# Altium PCB pcb.PcbDoc (part 1 of 2)
Units mm, origin at the board's own origin, x right, y up, seen from the top; angles counter-clockwise.
Board outline 174.83 x 114.43 mm, 2 copper layers (Top Layer, Bottom Layer); 117 components, 132 nets, 722 pads, 1852 vias.
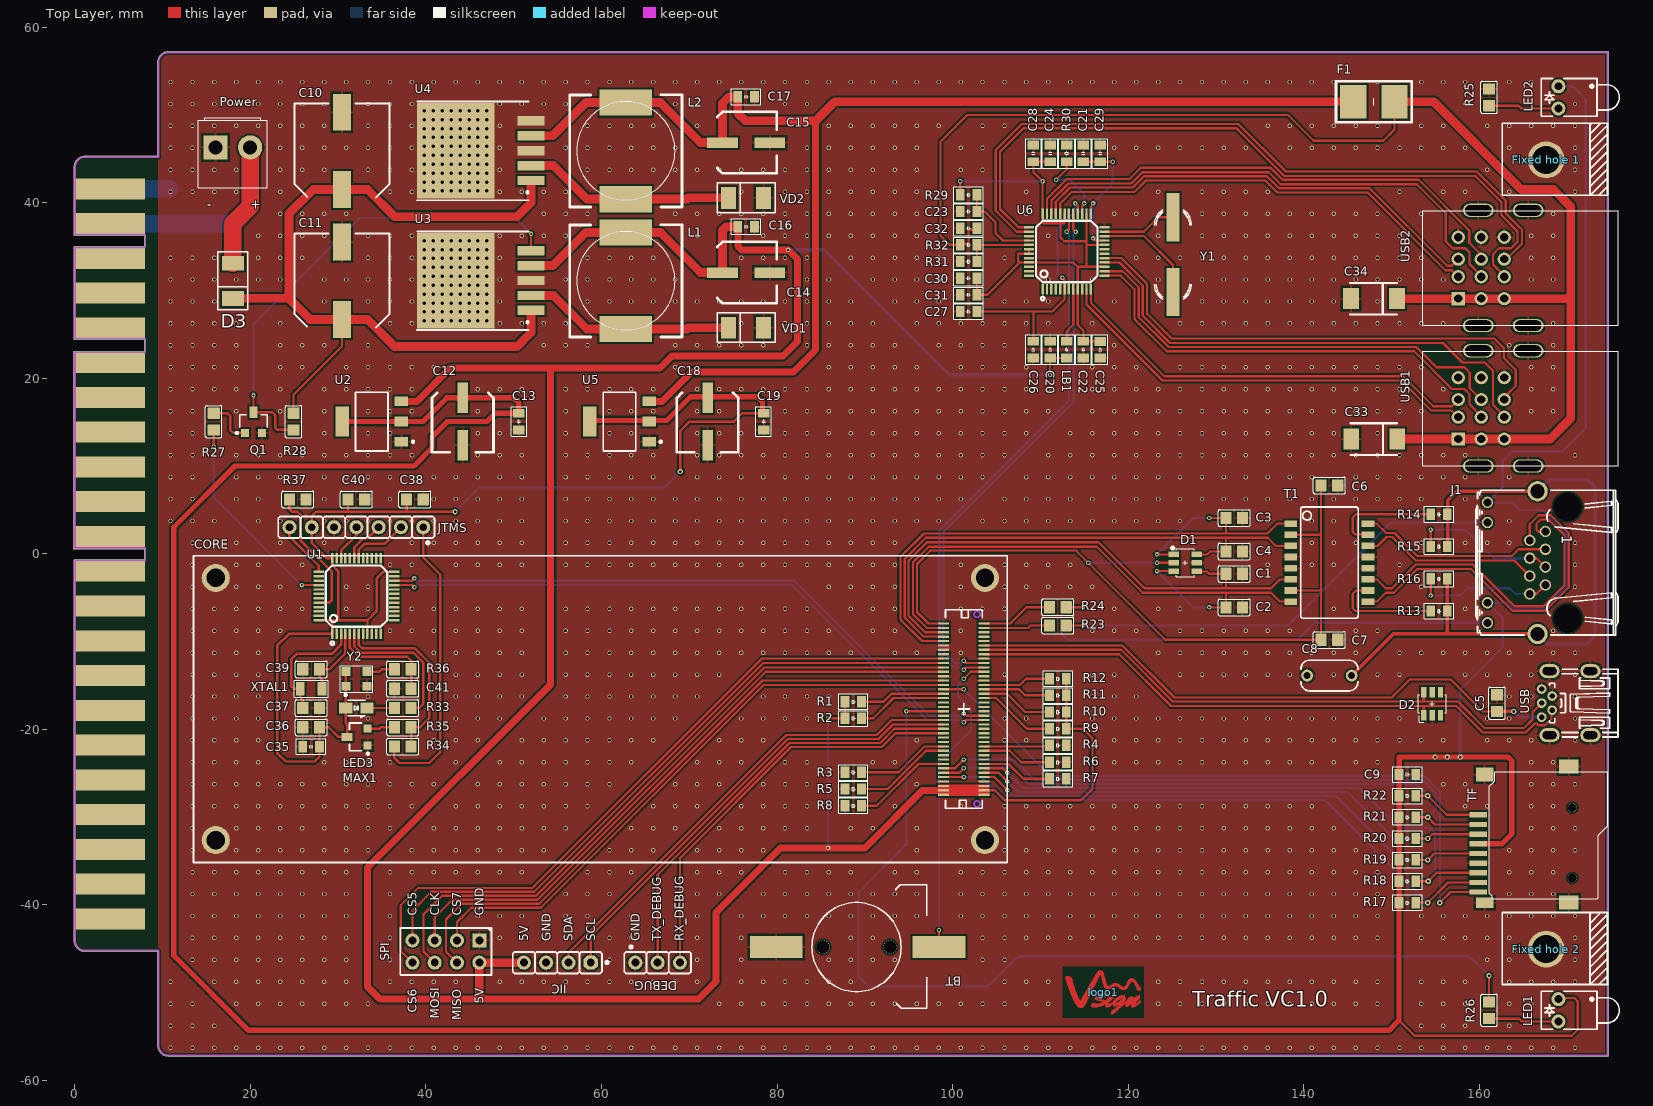
[diagram p0: Top Layer view]
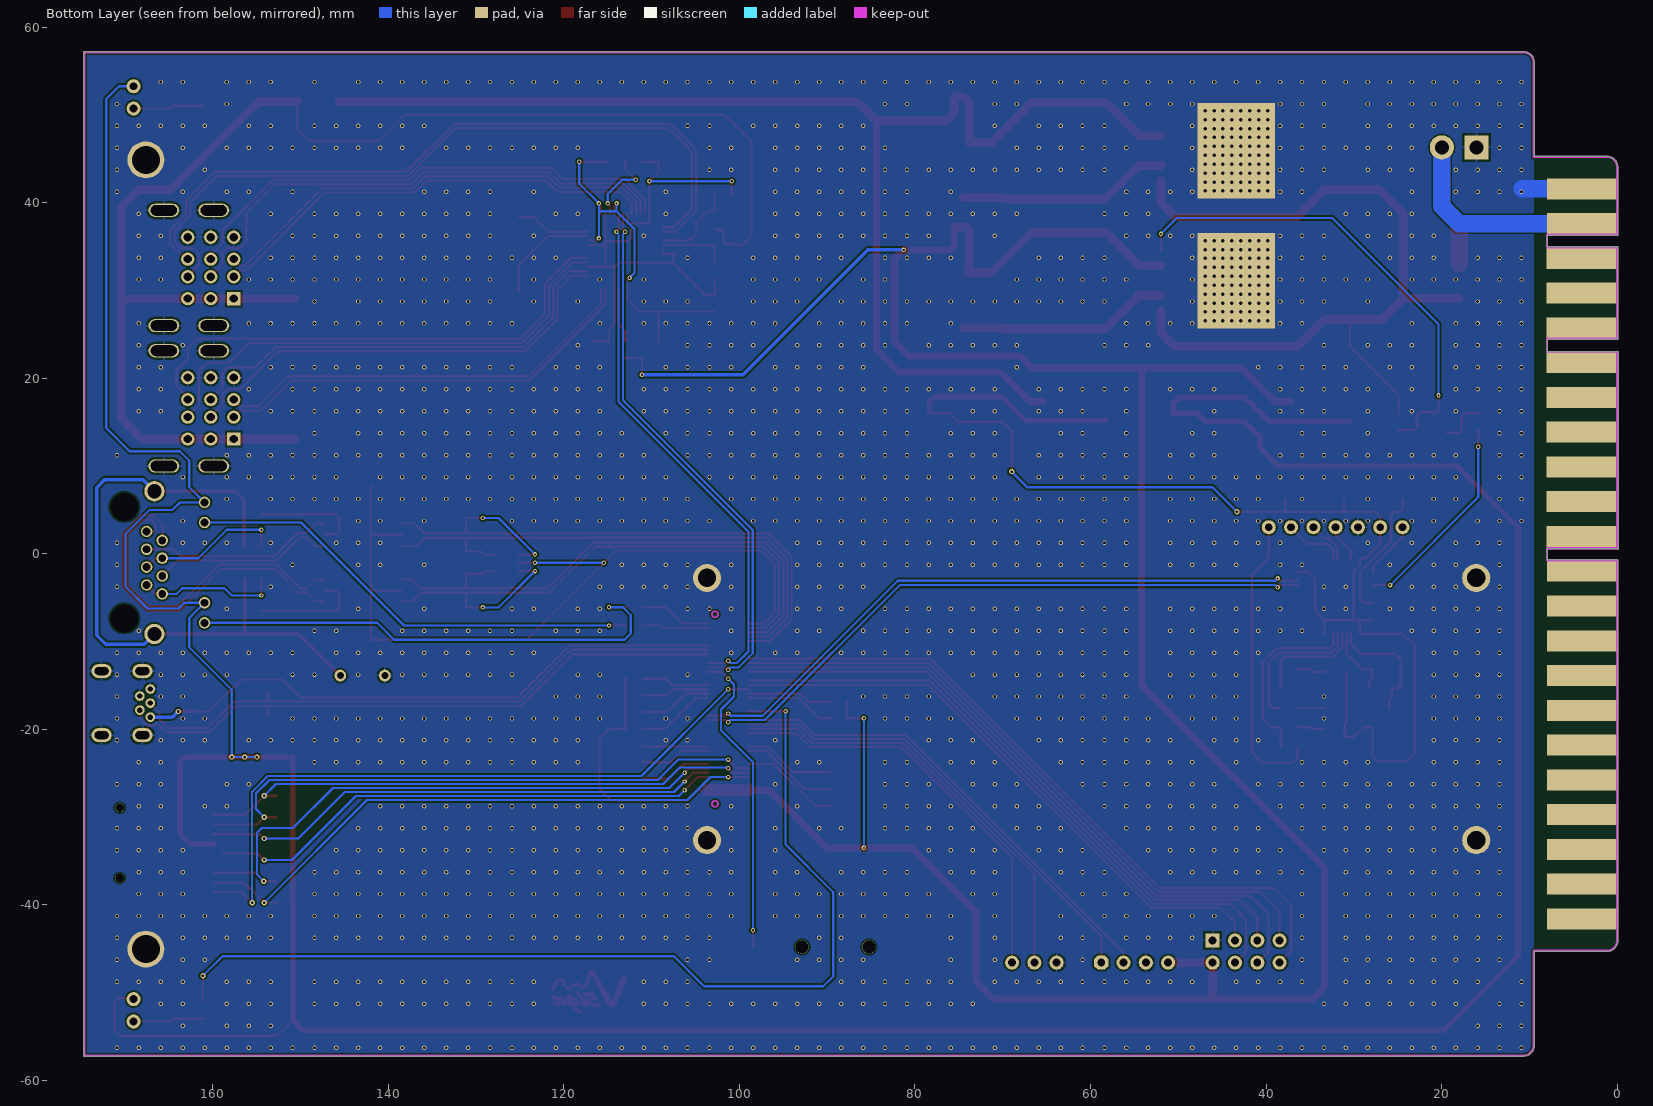
[diagram p1: Bottom Layer view, seen from below]

## Layer stack, top to bottom
Top Solder: solder mask 0.0102, Solder Resist, Dk 3.5
Top Layer: signal copper 0.0356
Dielectric1: dielectric 0.32, FR-4, Dk 4.8
Bottom Layer: signal copper 0.0356
Bottom Solder: solder mask 0.0102, Solder Resist, Dk 3.5

## Board outline
-0.064,-0.787 cw(c-0.005,-0.762) -0.005,-0.698 7.937,-0.698 7.937,0.571 -0.005,0.571 cw(c-0.005,0.635) -0.023,0.574 cw(c-0.076,0.61) -0.14,0.61 -0.14,22.987 cw(c-0.076,22.987) -0.041,23.04 cw(c-0.005,22.987) -0.005,23.051 7.937,23.051 7.937,24.447 0.026,24.447 cw(c-0.025,24.486) -0.089,24.486 -0.089,34.9 cw(c-0.025,34.9) -0.063,34.951 cw(c-0.005,34.925) -0.005,34.989 7.937,34.989 7.937,36.284 0,36.284 cw(c0,36.347) -0.064,36.347 -0.064,44.044 cw(c-0.005,44.069) -0.056,44.107 cw(c1.143,44.076) 1.143,45.276 9.456,45.276 9.456,56.007 cw(c9.52,56.007) 9.461,56.032 cw(c10.661,56.007) 10.638,57.207 cw(c10.668,57.15) 10.668,57.214 174.625,57.214 cw(c174.625,57.15) 174.689,57.15 174.689,-57.125 cw(c174.625,-57.125) 174.688,-57.137 cw(c174.625,-57.15) 174.689,-57.15 cw(c174.625,-57.15) 174.625,-57.214 10.668,-57.214 cw(c10.668,-57.15) 10.638,-57.207 cw(c10.661,-56.007) 9.461,-56.032 cw(c9.52,-56.007) 9.456,-56.007 9.456,-45.276 1.143,-45.276 cw(c1.143,-45.212) 1.113,-45.269 cw(c1.136,-44.069) -0.064,-44.069

## Design rules (kind name [scope] priority, off if disabled: settings)
Clearance [All] p1: gap=0.2 ignorepadtopadclearanceinfootprint=FALSE except(0: Arc-Hole Track-Hole SMDPad-Hole THPad-Hole Via-Hole Fill-Hole Poly-Hole Region-Hole Text-Hole)
ComponentClearance ComponentClearance_1 [All vs HasFootprint('LINUX_CORE')] p1: gap=0 collisioncheckmode=3 verticalgap=0 showdistances=FALSE
ComponentClearance [All] p2: gap=0.254 collisioncheckmode=3 verticalgap=0 showdistances=FALSE
DiffPairsRouting [All] p1: maxlimit=0.254 minlimit=0.2 mostfreqgap=0.25 toplayer_minwidth=0.2 toplayer_maxwidth=0.381 toplayer_prefwidth=0.25 bottomlayer_minwidth=0.2 bottomlayer_maxwidth=0.381 bottomlayer_prefwidth=0.25 maxuncoupledlength=12.7
Height [All] p1: minheight=0 maxheight=50.8 prefheight=25.4
HoleToHoleClearance [All] p1: gap=0.125 allowstackedmicrovias=TRUE
MinimumSolderMaskSliver [All] p1: minsoldermaskwidth=0.125
PlaneConnect [All] p1: planeconnectstyle=Direct reliefexpansion=0.508 reliefentries=4 reliefconductorwidth=0.254 reliefairgap=0.254
PolygonConnect PolygonConnect_3 [All vs HasFootprint('LINUX_CORE')] p1: connectstyle=Direct reliefconductorwidth=0.254 reliefentries=4 polygonreliefangle="90 Angle" airgapwidth=0.254
PolygonConnect PolygonConnect_4 [All vs HasFootprint('CON_90')] p2: connectstyle=Direct reliefconductorwidth=0.254 reliefentries=4 polygonreliefangle="90 Angle" airgapwidth=0.254
PolygonConnect PolygonConnect_2 [All vs HasFootprint('TO-263-5')] p3: connectstyle=Direct reliefconductorwidth=0.254 reliefentries=4 polygonreliefangle="90 Angle" airgapwidth=0.254
PolygonConnect PolygonConnect_1 [All vs IsVia] p4: connectstyle=Direct reliefconductorwidth=0.254 reliefentries=4 polygonreliefangle="90 Angle" airgapwidth=0.254
PolygonConnect [All] p5: connectstyle=Relief reliefconductorwidth=0.254 reliefentries=4 polygonreliefangle="90 Angle" airgapwidth=0.254
RoutingVias [All] p1: holewidth=0.711 width=1.27 viastyle="Through Hole" minholewidth=0.711 minwidth=1.27 maxholewidth=0.711 maxwidth=1.27
SilkToSolderMaskClearance SilkscreenOverComponentPads [IsPad] p1: minsilkscreentomaskgap=0.2 clearancetoexposedcopper=TRUE
SolderMaskExpansion [All] p1: expansion=0.102
Width [All] p1: maxlimit=2.54 minlimit=0.2 preferedwidth=0.254 minimp=50.000000 maximp=50.000000 favimp=50.000000
23 further rules are at their usual default settings.

## Classes and differential pairs
component class dog: C35 C36 C37 C38 C39 C40 C41 JTMS LED3 MAX1 R33 R34 R35 R36 R37 U1 XTAL1 Y2
component class Ethernet: C20 C21 C22 C23 C24 C25 C26 C27 C28 C29 C30 C31 C32 C33 C34 CE2 DOWN1 DOWN2 DOWN3 DOWN4 EC1 EC2 EC3 EC4 EC5 EC6 F1 LB1 LB5 LB6 R29 R30 R31 R32 U6 UP1 USB1 USB2 Y1
component class core: CORE logo1 R1 R2 R3 R4 R5 R6 R7 R8 R9 R10 R11 R12
component class Interface: C1 C2 C3 C4 C5 C6 C7 C8 C9 D1 D2 DEBUG "Fixed hole 1" "Fixed hole 2" IIC J1 LED1 LED2 Power R13 R14 R15 R16 R17 R18 R19 R20 R21 R22 R23 R24 R25 R26 SPI T1 TF USB
component class Power: BT C10 C11 C12 C13 C14 C15 C16 C17 C18 C19 D3 D31 E61 L1 L2 LED62 Q1 R27 R28 R246 R247 R248 R249 R250 U2 U3 U4 U5 VD1 VD2
differential pair DOG_UART: +DOG_UART_P -DOG_UART_N
differential pair USBH_D: +USBH_D_P -USBH_D_N
differential pair USBD_D: +USBD_D_P -USBD_D_N
differential pair TX1: +TX1_P -TX1_N
differential pair RX1: +RX1_P -RX1_N
differential pair ETX: +ETX_P -ETX_N
differential pair ERX: +ERX_P -ERX_N
differential pair D7: +D7_P -D7_N
differential pair D6: +D6_P -D6_N
differential pair D5: +D5_P -D5_N
differential pair D4: +D4_P -D4_N
differential pair D3: +D3_P -D3_N
differential pair D2: +D2_P -D2_N

## Components (designator, comment, footprint, x,y, rotation, side; value= is the part's Value field where it differs from the comment)
BT "BATTERY" CR-1220 89.173,-44.79 r0 top
C1 "15PF" "0805/2012 C3"#1 132.07,-2.268 r0 top
C2 "15PF" "0805/2012 C3"#1 132.07,-6.098 r0 top
C3 "15PF" "0805/2012 C3"#1 132.07,4.087 r180 top
C4 "15PF" "0805/2012 C3"#1 132.07,0.272 r0 top
C5 "0.1uF" "0805/2012 C3"#1 162.01,-17 r270 top
C6 "1uF" "0805/2012 C3"#1 142.92,7.79 r180 top
C7 "0.1uF" "0805/2012 C3"#1 142.92,-9.79 r180 top
C8 "0.1nF 2Kv" CAPRR508-350X650X700 142.92,-13.86 r180 top
C9 "0.1uF" "0805/2012 C3"#2 151.791,-25.13 r0 top
C10 "470UF/35V" SMT_10X10_3-AECAP 30.43,45.91 r270 top
C11 "470UF/35V" SMT_10X10_3-AECAP 30.43,31.11 r270 top
C12 "330uF/6.3V" SMT_6_3X7_7-AECAP 44.19,15.07 r90 top
C13 "0.1uF" "0805/2012 C3"#2 50.58,15.07 r270 top
C14 "470UF/10V" SMT_6_3X7_7-AECAP 76.47,32.05 r180 top
C15 "470UF/10V" SMT_6_3X7_7-AECAP 76.47,46.85 r180 top
C16 "100nF" "0805/2012 C3"#2 76.47,37.273 r0 top
C17 "100nF" "0805/2012 C3"#2 76.47,52.073 r0 top
C18 "330uF/6.3V" SMT_6_3X7_7-AECAP 72.08,15.07 r90 top
C19 "0.1uF" "0805/2012 C3"#2 78.47,15.07 r270 top
C20 "0.1uF" "0805/2012 C3"#2 111.094,23.267 r270 top
C21 "0.1uF" "0805/2012 C3"#2 114.894,45.627 r270 top
C22 "10uF" "0805/2012 C3"#2 114.894,23.277 r90 top
C23 "0.1uF" "0805/2012 C3"#2 101.816,39.007 r0 top
C24 "0.1uF" "0805/2012 C3"#2 111.094,45.627 r270 top
C25 "0.1uF" "0805/2012 C3"#2 116.794,23.257 r90 top
C26 "0.1uF" "0805/2012 C3"#2 109.194,23.267 r90 top
C27 "10uF" "0805/2012 C3"#2 101.816,27.607 r0 top
C28 "0.1uF" "0805/2012 C3"#2 109.194,45.627 r270 top
C29 "0.1uF" "0805/2012 C3"#2 116.794,45.627 r270 top
C30 "0.1uF" "0805/2012 C3"#2 101.814,31.407 r0 top
C31 "0.1uF" "0805/2012 C3"#2 101.814,29.507 r0 top
C32 "0.1uF" "0805/2012 C3"#2 101.816,37.107 r0 top
C33 "220UF/10V" 2312_6023-20_SMT-TAJ-F 148.03,13.07 r0 top
C34 "220UF/10V" 2312_6023-20_SMT-TAJ-F 147.99,29.07 r0 top
C35 "1uF" "0805/2012 C3"#2 26.917,-21.956 r0 top
C36 "100nF" "0805/2012 C3"#1 26.917,-19.755 r0 top
C37 "6P" "0805/2012 C3"#1 26.917,-17.554 r180 top
C38 "1uF" "0805/2012 C3"#1 38.737,6.204 r180 top
C39 "6P" "0805/2012 C3"#1 26.917,-13.152 r0 top
C40 "100nF" "0805/2012 C3"#1 32.067,6.204 r180 top
C41 "10P" "0805/2012 C3"#1 37.357,-15.353 r0 top
CORE "LINUX_CORE" LINUX_CORE 59.87,-17.68 r180 top locked
D1 "DALC208SC6" TSOT-23_6#1 126.49,-1.01 r270 top
D2 "SRV05-4" TSOT-23_6#2 154.621,-17.074 r0 top
D3 "1N5824" DO-214AC 18.002,31.11 r270 top
DEBUG "CON3" COMATEL_385.0358.1.03.400 63.85,-46.57 r0 top
F1 "3A" "PPTC 1812/4532" 147.99,51.5 r180 top
"Fixed hole 1" "CON1" CON_90 167.61,44.958 r0 top locked
"Fixed hole 2" "CON1" CON_90 167.61,-44.958 r0 top locked
IIC "CON4" COMATEL_385.0358.1.04.400 58.77,-46.57 r180 top
J1 "RJ45" AMPHENOL_RJHSE-5381 166.632,-1 r270 top
JTMS "CON7" JTMS 39.687,3.034 r180 top
L1 "47uH" MS125 62.77,31.11 r270 top
L2 "47uH" MS125 62.77,45.91 r270 top
LB1 "FB" "0805/2012 F3" 112.994,23.267 r270 top
LED1 "LEDΦ3*1" LED_DIALIGHT_551-1307F 169,-52 r180 top
LED2 "LEDΦ3*1" LED_DIALIGHT_551-1107F 169,52 r180 top
LED3 "LED" "0805/2012 LEDB" 32.062,-17.557 r0 top
logo1 "CON1" LOGO 117.15,-49.94 r0 top
MAX1 "MAX809TD" "SOT-23 Q2" 32.187,-20.856 r90 top
Power "CON2" B2P-VH 17.99,46.31 r180 top
Q1 "2N5551" "SOT-23 Q2" 20.355,14.965 r0 top
R1 "10K" "0805/2012 R3"#1 88.675,-16.836 r180 top
R2 "10K" "0805/2012 R3"#1 88.675,-18.736 r180 top
R3 "10K" "0805/2012 R3"#1 88.675,-24.886 r180 top
R4 "10K" "0805/2012 R3"#1 111.98,-21.82 r0 top
R5 "10K" "0805/2012 R3"#1 88.675,-26.786 r180 top
R6 "10K" "0805/2012 R3"#1 111.98,-23.72 r0 top
R7 "10K" "0805/2012 R3"#1 111.98,-25.62 r0 top
R8 "10K" "0805/2012 R3"#1 88.675,-28.686 r180 top
R9 "10K" "0805/2012 R3"#1 111.98,-19.919 r0 top
R10 "10K" "0805/2012 R3"#1 111.98,-18.019 r0 top
R11 "10K" "0805/2012 R3"#1 111.98,-16.118 r0 top
R12 "10K" "0805/2012 R3"#1 111.98,-14.218 r0 top
R13 "75Ω" "0805/2012 R3"#1 155.4,-6.509 r0 top
R14 "75Ω" "0805/2012 R3"#1 155.4,4.513 r0 top
R15 "75Ω" "0805/2012 R3"#1 155.4,0.839 r180 top
R16 "75Ω" "0805/2012 R3"#1 155.4,-2.835 r180 top
R17 "47K" "0805/2012 R3"#1 151.791,-39.73 r180 top
R18 "47K" "0805/2012 R3"#1 151.791,-37.297 r180 top
R19 "47K" "0805/2012 R3"#1 151.791,-34.863 r180 top
R20 "47K" "0805/2012 R3"#1 151.791,-32.43 r180 top
R21 "47K" "0805/2012 R3"#1 151.791,-29.997 r180 top
R22 "47K" "0805/2012 R3"#1 151.791,-27.563 r180 top
R23 "330Ω" "0805/2012 R3"#2 111.98,-8.16 r0 top
R24 "330Ω" "0805/2012 R3"#2 111.98,-6.075 r180 top
R25 "330Ω" "0805/2012 R3"#2 161.11,52 r90 top
R26 "330Ω" "0805/2012 R3"#2 161.11,-52 r90 top
R27 "4.7K" "0805/2012 R3"#2 15.82,15.07 r90 top
R28 "10K" "0805/2012 R3"#2 24.92,15.07 r90 top
R29 "100K" "0805/2012 R3"#1 101.816,40.907 r0 top
R30 "2.7K" "0805/2012 R3"#1 112.994,45.627 r270 top
R31 "100K" "0805/2012 R3"#1 101.816,33.307 r0 top
R32 "47K" "0805/2012 R3"#1 101.816,35.207 r0 top
R33 "280Ω" "0805/2012 R3"#2 37.357,-17.554 r0 top
R34 "0Ω" "0805/2012 R3"#2 37.357,-21.956 r0 top
R35 "1K" "0805/2012 R3"#2 37.357,-19.755 r0 top
R36 "10Ω" "0805/2012 R3"#2 37.357,-13.152 r180 top
R37 "10K" "0805/2012 R3"#2 25.397,6.204 r0 top
SPI "MHDR2X4" M20N-2X04-2.54 42.263,-45.3 r180 top
T1 "TS8121C" XFMR_PULSE_H1260NL 142.92,-0.998 r0 top
TF "TF" TFP09-2-12B-G 159.89,-31.93 r180 top
U1 "STM32F103C8T6" LQFP-48L 32.077,-4.81 r180 top
U2 "LM1117" SOT-223 33.825,15.07 r90 top
U3 "LM2596-5" TO-263-5 43.179,31.135 r90 top
U4 "LM2596-5" TO-263-5 43.179,45.935 r90 top
U5 "LM1117" SOT-223 62.05,15.07 r90 top
U6 "FE2.1" LQFP-48L 112.994,34.447 r180 top
USB "USB(MINI)" WURTH_651005136521 167.098,-17 r90 top
USB1 "USB_4" USB-3 165.554,10 r90 top
USB2 "USB_4" USB-3 165.554,26 r90 top
VD1 "IN5824" DO-214AC 76.47,25.758 r180 top
VD2 "IN5824" DO-214AC 76.47,40.558 r180 top
XTAL1 "32.768" Y_3215-2 26.917,-15.353 r0 top
Y1 "12M" XTAL_CITIZEN_HCM49 125.094,34.087 r270 top
Y2 "8M" Y_3225-4 32.077,-14.246 r0 top

## Footprints (in the part's own frame and the unit in brackets; to place one, negate y for a bottom-side part, rotate by r counter-clockwise, add the part's x,y. Pads: shape width x height; smd on the part's side, far side on the other; paste and mask are expansions set on the pad)
"0805/2012 C3"#1 [mm]
  rrect10% 1.27x1.397 smd: 1(-0.95,0) 2(0.95,0)
  silkscreen extent -1.83,-0.94 1.83,0.94, body extent -1.58,-0.7 1.58,0.7, height 1.25
"0805/2012 C3"#2 [mm]
  rect 1x1.3 smd: 1(-0.95,0) 2(0.95,0)
  silkscreen extent -1.68,-0.89 1.68,0.89, body extent -1.45,-0.65 1.45,0.65, height 1.25
"0805/2012 F3" [mm]
  rect 1x1.3 smd: 1(-0.95,0) 2(0.95,0)
  silkscreen extent -1.68,-0.89 1.68,0.89, body extent -1.45,-0.65 1.45,0.65, height 1.25
"0805/2012 LEDB" [mm]
  rect 1.5x1.27 smd mask+0.07: 1(1.2,0)
  rect 1.5x1.27 smd: 2(-1.2,0)
  silkscreen extent -1,-1.1 1,0.89, body extent -1.91,-0.63 1.91,0.63, height 1.09
"0805/2012 R3"#1 [mm]
  rect 1x1.3 smd: 1(-0.95,0) 2(0.95,0)
  silkscreen extent -1.68,-0.89 1.68,0.89, body extent -1.45,-0.65 1.45,0.65, height 0.51
"0805/2012 R3"#2 [mm]
  rrect10% 1.27x1.397 smd: 1(-0.95,0) 2(0.95,0)
  silkscreen extent -1.83,-0.94 1.83,0.94, body extent -1.58,-0.7 1.58,0.7, height 0.45
2312_6023-20_SMT-TAJ-F [mm]
  rect 1.8x2.388 smd mask+0.051: 1(2.621,0) 2(-2.621,0)
  silkscreen extent -2.7,-1.8 2.6,1.8, body extent -3.5,-1.61 3.5,1.59, height 2
AMPHENOL_RJHSE-5381 [mm] "1 Port, 8 Positions, CAT5 RJ45 Modular Connector With Yellow And Green LEDs"
  round 1.3 hole 0.9: 1(-3.554,0.886) 2(-2.538,-0.894) 3(-1.522,0.886) 4(-0.506,-0.894) 5(0.51,0.886) 6(1.526,-0.894) 7(2.542,0.886) 8(3.558,-0.894) 9(-6.862,-5.714) 10(-4.572,-5.714) 11(4.568,-5.714) 12(6.858,-5.714)
  round 2.3 hole 1.6: 13(-8.132,-0.004) 13(8.128,-0.004)
  round 1 hole 3.2 unplated mask+1.1: M1(-6.352,3.426) M2(6.348,3.426)
  silkscreen extent -8.26,-7.04 8.25,9.17, body extent -8.39,-7.01 8.44,9.19, height 15.14
B2P-VH [mm] "VH Connector"
  rect 2.75x2.75 hole 1.6: 1(1.98,0)
  round 2.75 hole 1.6: 2(-1.98,0)
  silkscreen extent -3.95,-3.4 3.95,4.6, body extent -3.9,-4.15 3.96,4.95, height 10.9
CAPRR508-350X650X700 [mm] "Capacitor Radial Rounded, Pin spacing 5.08mm - Body With 3.5mm X Body Length 6.5mm X Body Height 7mm"
  round 1.35 hole 0.8: 1(-2.54,0) 2(2.54,0)
  silkscreen extent -3.25,-1.75 3.25,1.75, body extent -3.29,-1.75 3.29,1.75, height 7
COMATEL_385.0358.1.03.400 [mm] "3 Contacts Straight Strip Header Pitch 2.54mm L=6.3mm ''Mini-Wire-Wrap''"
  round 1.6 hole 0.9: 1(0,0) 2(2.54,0) 3(5.08,0)
  silkscreen extent -1.27,-1.23 6.35,1.93, body extent -1.27,-1.22 6.35,1.23, height 8
COMATEL_385.0358.1.04.400 [mm] "4 Contacts Straight Strip Header Pitch 2.54mm L=6.3mm ''Mini-Wire-Wrap''"
  oct 1.6x1.6 hole 0.9: 1(0,0)
  round 1.6 hole 0.9: 2(2.54,0) 3(5.08,0) 4(7.62,0)
  silkscreen extent -2,-1.23 8.89,1.23, body extent -1.27,-1.22 8.89,1.23, height 8
CON_90 [mm]
  round 4.2 hole 3.2: 1(0,-0.07)
  silkscreen extent -5,-4.1 7,4.1
CR-1220 [mm]
  oval 1.504x1.509 hole 1.499: 0(-3.927,0) 0(3.673,0)
  rect 6x2.5 smd: 1(9.271,0) 2(-9.271,0)
  silkscreen extent -5.21,-6.98 7.87,7.11, body extent -12.3,-7.4 12.3,7.6, height 4.3
DO-214AC [mm]
  rect 1.7x2.5 smd: 1(2,0) 2(-2,0)
  silkscreen extent -3.3,-1.7 3.3,1.68, body extent -2.85,-1.25 2.85,1.25, height 1.9
JTMS [mm] "Wire-Wrap contact (Pin Length= 16.5mm)"
  round 1.6 hole 0.9: 1(0,0) 2(2.54,0) 3(5.08,0) 4(7.62,0) 5(10.16,0) 6(12.7,0) 7(15.24,0)
  silkscreen extent -1.27,-1.23 16.51,1.93, body extent -1.27,-1.22 16.51,1.23, height 8
LED_DIALIGHT_551-1107F [mm] "Single 3mm Red LED, Body 6.35x4.32mm, Pin spacing 2.54mm"
  round 1.6 hole 0.9: 1(0,-1.27) 2(0,1.27)
  silkscreen extent -6.94,-2.16 1.95,2.16, body extent -6.94,-2.16 1.95,2.16, height 7.11
LED_DIALIGHT_551-1307F [mm] "Single 3mm Green LED, Body 6.35x4.32mm, Pin spacing 2.54mm"
  round 1.6 hole 0.9: 1(0,-1.27) 2(0,1.27)
  silkscreen extent -6.94,-2.16 1.95,2.16, body extent -6.94,-2.16 1.95,2.16, height 7.11
LINUX_CORE [mm]
  rect 1.254x0.254 smd: 1(-43.695,9.75) 2(-43.695,9.25) 3(-43.695,8.75) 4(-43.695,8.25) 5(-43.695,7.75) 6(-43.695,7.25) 7(-43.695,6.75) 8(-43.695,6.25) 9(-43.695,5.75) 10(-43.695,5.25) 11(-43.695,4.75) 12(-43.695,4.25) 13(-43.695,3.75) 14(-43.695,3.25) 15(-43.695,2.75) 16(-43.695,2.25) 17(-43.695,1.75) 18(-43.695,1.25) 19(-43.695,0.75) 20(-43.695,0.25) 21(-43.695,-0.25) 22(-43.695,-0.75) 23(-43.695,-1.25) 24(-43.695,-1.75) 25(-43.695,-2.25) 26(-43.695,-2.75) 27(-43.695,-3.25) 28(-43.695,-3.75) 29(-43.695,-4.25) 30(-43.695,-4.75) 31(-43.695,-5.25) 32(-43.695,-5.75) 33(-43.695,-6.25) 34(-43.695,-6.75) 35(-43.695,-7.25) 36(-43.695,-7.75) 37(-43.695,-8.25) 38(-43.695,-8.75) 39(-43.695,-9.25) 40(-43.695,-9.75) 41(-39.095,-9.75) 42(-39.095,-9.25) 43(-39.095,-8.75) 44(-39.095,-8.25) 45(-39.095,-7.75) 46(-39.095,-7.25) 47(-39.095,-6.75) 48(-39.095,-6.25) 49(-39.095,-5.75) 50(-39.095,-5.25) 51(-39.095,-4.75) 52(-39.095,-4.25) 53(-39.095,-3.75) 54(-39.095,-3.25) 55(-39.095,-2.75) 56(-39.095,-2.25) 57(-39.095,-1.75) 58(-39.095,-1.25) 59(-39.095,-0.75) 60(-39.095,-0.25) 61(-39.095,0.25) 62(-39.095,0.75) 63(-39.095,1.25) 64(-39.095,1.75) 65(-39.095,2.25) 66(-39.095,2.75) 67(-39.095,3.25) 68(-39.095,3.75) 69(-39.095,4.25) 70(-39.095,4.75) 71(-39.095,5.25) 72(-39.095,5.75) 73(-39.095,6.25) 74(-39.095,6.75) 75(-39.095,7.25) 76(-39.095,7.75) 77(-39.095,8.25) 78(-39.095,8.75) 79(-39.095,9.25) 80(-39.095,9.75)
  round 3.2 hole 2.1: 4(-43.815,-14.935) 4(-43.815,14.935) 4(43.815,-14.935) 4(43.815,14.935)
  Keep-Out Layer circle w0.152: c-42.9,-10.8 r0.35
  Keep-Out Layer circle w0.152: c-42.9,10.8 r0.35
  silkscreen extent -46.35,-17.48 46.35,17.48
LOGO [mm] "LOGO"
  Top Layer drawing of 837 lines, arcs and shapes, not listed
LQFP-48L [mil] "LQFP-48L_DM9161A_"
  rrect0% 11x47 smd mask+2.76: 1(108.27,169.29) 2(88.58,169.29) 3(68.9,169.29) 4(49.21,169.29) 5(29.53,169.29) 6(9.84,169.29) 7(-9.84,169.29) 8(-29.53,169.29) 9(-49.21,169.29) 10(-68.9,169.29) 11(-88.58,169.29) 12(-108.27,169.29) 25(-108.27,-169.29) 26(-88.58,-169.29) 27(-68.9,-169.29) 28(-49.21,-169.29) 29(-29.53,-169.29) 30(-9.84,-169.29) 31(9.84,-169.29) 32(29.53,-169.29) 33(49.21,-169.29) 34(68.9,-169.29) 35(88.58,-169.29) 36(108.27,-169.29)
  rrect0% 47x11 smd mask+2.76: 13(-169.29,108.27) 14(-169.29,88.58) 15(-169.29,68.9) 16(-169.29,49.21) 17(-169.29,29.53) 18(-169.29,9.84) 19(-169.29,-9.84) 20(-169.29,-29.53) 21(-169.29,-49.21) 22(-169.29,-68.9) 23(-169.29,-88.58) 24(-169.29,-108.27) 37(169.29,-108.27) 38(169.29,-88.58) 39(169.29,-68.9) 40(169.29,-49.21) 41(169.29,-29.53) 42(169.29,-9.84) 43(169.29,9.84) 44(169.29,29.53) 45(169.29,49.21) 46(169.29,68.9) 47(169.29,88.58) 48(169.29,108.27)
  silkscreen extent -138,-138 138,219, body extent -193,-193 193,193, height 63
M20N-2X04-2.54 [mm] "2.54mm"
  rect 1.6x1.6 hole 0.9: 1(-3.81,-1.27)
  round 1.6 hole 0.9: 2(-3.81,1.27) 3(-1.27,-1.27) 4(-1.27,1.27) 5(1.27,-1.27) 6(1.27,1.27) 7(3.81,-1.27) 8(3.81,1.27)
  silkscreen extent -5.21,-2.67 5.21,2.67, body extent -5.08,-2.54 5.08,2.54, height 9.54
MS125 [mm]
  rect 3x6 smd: 1(-5.5,0) 2(5.5,0)
  silkscreen extent -6.4,-6.4 6.4,6.4, body extent -7,-6.1 7,5.9, height 5.95
"PPTC 1812/4532" [mm] "4.55mmX3.24mm"
  rect 3x3.81 smd: 1(-2.349,0)
  rect 3x3.81 smd mask+0.07: 2(2.349,0)
  silkscreen extent -4.32,-2.34 4.32,2.34, body extent -3.85,-1.9 3.85,1.91, height 1
SMT_6_3X7_7-AECAP [mm]
  rect 3.5x1.2 smd: 1(2.7,0) 2(-2.7,0)
  silkscreen extent -3.5,-3.5 3.3,3.5, body extent -4.45,-3.3 4.45,3.3, height 7.7
SMT_10X10_3-AECAP [mm]
  rect 4.2x2 smd: 1(4.4,0) 2(-4.4,0)
  silkscreen extent -5.4,-5.4 5.35,5.4, body extent -6.5,-5.2 6.5,5.2, height 10.3
"SOT-23 Q2" [mm] "PG-SC59"
  rect 0.915x0.915 smd mask+0.07: 1(-0.95,-1.175) 2(0.95,-1.175)
  rect 0.915x1.27 smd: 3(0,1.175)
  silkscreen extent -2.03,-1.32 1.57,0.89, body extent -1.55,-1.63 1.55,1.8, height 1.1
SOT-223 [mm]
  rect 1.1x1.55 smd mask+0.07: 1(-2.3,-3.375) 2(0,-3.375) 3(2.3,-3.375)
  rect 3.45x1.55 smd: 4(0,3.375)
  silkscreen extent -3.35,-4.82 3.35,1.85, body extent -3.26,-4.15 3.24,4.15, height 1.8
TFP09-2-12B-G [mm]
  round 1 hole 1 unplated: 0(-10.7,-3) 0(-10.7,5.001)
  rect 2x0.6 smd: 1(0,-2.2) 2(0,-1.1) 3(0,0) 4(0,1.1) 5(0,2.2) 6(0,3.3) 7(0,4.4) 8(0,5.5) 9(0,6.6)
  rect 2x1.2 smd: 10(-0.7,7.8)
  rect 2.2x1.6 smd: 11(-10.3,7.8) 12(-10.3,-7.7)
  rect 2x1.6 smd: 13(-0.7,-6.8)
  silkscreen extent -14.72,-7.1 -1.24,7.34, body extent -16.75,-8 0.45,8.1, height 3.2
TO-263-5 [mm]
  rect 1.07x3.048 smd: 1(-3.4,-8.788) 2(-1.7,-8.788) 3(0,-8.788) 4(1.7,-8.788) 5(3.4,-8.788)
  rect 1.7x1.7 hole 0.4: 3(-4.595,-3.761) 3(-4.595,-2.745) 3(-4.595,-1.729) 3(-4.595,-0.713) 3(-4.595,0.303) 3(-4.595,1.319) 3(-4.595,2.335) 3(-4.595,3.351) 3(-3.579,-3.761) 3(-3.579,-2.745) 3(-3.579,-1.729) 3(-3.579,-0.713) 3(-3.579,0.303) 3(-3.579,1.319) 3(-3.579,2.335) 3(-3.579,3.351) 3(-2.563,3.351) 3(-2.563,-2.745) 3(-2.563,-1.729) 3(-2.563,-0.713) 3(-2.563,0.303) 3(-2.563,1.319) 3(-2.563,2.335) 3(-2.563,-3.761) 3(-1.547,2.335) 3(-1.547,3.351) 3(-1.547,-0.713) 3(-1.547,0.303) 3(-1.547,1.319) 3(-1.547,-3.761) 3(-1.547,-2.745) 3(-1.547,-1.729) 3(-0.531,2.335) 3(-0.531,3.351) 3(-0.531,1.319) 3(-0.531,-0.713) 3(-0.531,0.303) 3(-0.531,-1.729) 3(-0.531,-2.745) 3(-0.531,-3.761) 3(0.485,2.335) 3(0.485,3.351) 3(0.485,1.319) 3(0.485,-0.713) 3(0.485,0.303) 3(0.485,-1.729) 3(0.485,-2.745) 3(0.485,-3.761) 3(1.501,2.335) 3(1.501,3.351) 3(1.501,-0.713) 3(1.501,0.303) 3(1.501,1.319) 3(1.501,-3.761) 3(1.501,-2.745) 3(1.501,-1.729) 3(2.517,3.351) 3(2.517,-2.745) 3(2.517,-1.729) 3(2.517,-0.713) 3(2.517,0.303) 3(2.517,1.319) 3(2.517,2.335) 3(2.517,-3.761) 3(3.533,-3.761) 3(3.533,-2.745) 3(3.533,-1.729) 3(3.533,-0.713) 3(3.533,0.303) 3(3.533,1.319) 3(3.533,2.335) 3(3.533,3.351) 3(4.549,-3.761) 3(4.549,-2.745) 3(4.549,-1.729) 3(4.549,-0.713) 3(4.549,0.303) 3(4.549,1.319) 3(4.549,2.335) 3(4.549,3.351)
  silkscreen extent -5.64,-8.53 5.59,4.22, body extent -5.23,-10.31 5.18,3.6, height 4.65
TSOT-23_6#1 [mm]
  rect 0.62x1.22 smd mask+0.08: 1(-0.95,-1.31) 2(0.001,-1.31) 3(0.95,-1.31) 4(0.95,1.31) 5(0.001,1.31) 6(-0.95,1.31)
  silkscreen extent -1.84,-1.58 1.6,1, body extent -1.45,-1.92 1.45,1.92, height 1.1
TSOT-23_6#2 [mm]
  rect 0.62x1.22 smd mask+0.07: 1(-0.95,-1.31) 2(0.001,-1.31) 3(0.95,-1.31) 4(0.95,1.31) 5(0.001,1.31) 6(-0.95,1.31)
  silkscreen extent -1.6,-2.1 1.6,1, body extent -1.45,-1.4 1.45,1.4, height 1.1
USB-3 [mm]
  rect 1.5x1.5 hole 0.92: 1(3.07,7.96)
  round 1.5 hole 0.92: 2(5.57,7.96) 3(7.57,7.96) 4(10.07,7.96) 5(3.07,5.34) 6(5.57,5.34) 7(7.57,5.34) 8(10.07,5.34) 9(3.07,2.72) 10(5.57,2.72) 11(7.57,2.72) 12(10.07,2.72)
  oval 1.5x3.5 hole 1.2 slot 3 at 90 deg: 13(0,5.68) 14(13.14,5.68) 15(0,0) 16(13.14,0)
  silkscreen extent 0.02,-10.28 13.1,12
WURTH_651005136521 [mm] "Mini USB Type B Horizontal 5 Contacts"
  round 1.1 hole 0.6: 1(-1.6,0) 2(-0.8,-1.2) 3(0,0) 4(0.8,-1.2) 5(1.6,0)
  oval 1.6x2.3 hole 0.9 slot 1.6 at 90 deg: 6(-3.65,-5.55) 6(-3.65,-0.9) 6(3.65,-5.55) 6(3.65,-0.9)
  silkscreen extent -3.85,-8.7 3.85,-0.9, body extent -4.07,-8.7 4.08,0.13, height 3.9
XFMR_PULSE_H1260NL [mm] "10/100BASE-T Transformer Modules, Body 7.11 x 12.7mm"
  rect 1.46x0.76 smd: 1(-4.41,4.445) 2(-4.41,3.175) 3(-4.41,1.905) 4(-4.41,0.635) 5(-4.41,-0.635) 6(-4.41,-1.905) 7(-4.41,-3.175) 8(-4.41,-4.445) 9(4.41,-4.445) 10(4.41,-3.175) 11(4.41,-1.905) 12(4.41,-0.635) 13(4.41,0.635) 14(4.41,1.905) 15(4.41,3.175) 16(4.41,4.445)
  silkscreen extent -3.28,-6.35 3.28,6.35, body extent -5.14,-6.35 5.14,6.35, height 6
XTAL_CITIZEN_HCM49 [mm] "CITIZEN HCM49 Case, SMD Cristal, Body 11.4 x 4.7mm"
  rect 5.5x1.5 smd: 1(-4.25,0) 2(4.25,0)
  silkscreen extent -5.11,-2.11 5.11,2.11, body extent -7,-2.35 7,2.35, height 4.3
Y_3215-2 [mm]
  rect 1x1.55 smd: 1(-1.25,0) 2(1.25,0)
  silkscreen extent -1.93,-0.97 1.93,0.97, body extent -1.75,-0.78 1.75,0.77, height 0.8
Y_3225-4 [mm]
  rect 1x1 smd mask+0.051: 1(-1.2,-0.838) 2(1.2,-0.838) 3(1.2,0.838) 4(-1.2,0.838)
  silkscreen extent -1.85,-1.96 1.85,1.5, body extent -1.7,-1.34 1.7,1.34, height 0.86

## Part data
BT: "Battery"
C1 C2 C3 C4 C5: library part CAP, "Capacitor"
C6 C7 C8 C9 C13 C19: library part Pro39.tmp_22P_32
C10 C11 C12 C14 C15 C18: library part 10UF/10V, "CCTC-106K010"
C16 C17: library part Pro39.tmp_22P_32, "104"
C20 C21 C22 C23 C24 C25 C26 C27 C28 C29 C30 C31 C32: library part Cap, "Capacitor"
  C23 C25 C26 C28 C29 C31 C32: LatestRevisionDate=17-Jul-2002, LatestRevisionNote="Re-released for DXP Platform.", PackageReference=RAD-0.3, Published=8-Jun-2000, Publisher="Altium Limited"
C33 C34: library part "Cap Pol1", "Polarized Capacitor (Radial)"
  C33: LatestRevisionDate=17-Jul-2002, LatestRevisionNote="Re-released for DXP Platform.", PackageReference=RB7.6-15, Published=8-Jun-2000, Publisher="Altium Limited"
C35 C38: library part CAP4, "105"
C36 C40: library part CAP4, "104"
C37 C39 C41: library part CAP4, "Capacitor"
D1: library part "HEADER 3X2"
D3: library part 1N5819, "CD-1N5819-DO41"
DEBUG "Fixed hole 1" "Fixed hole 2" IIC logo1 Power: "Connector"
F1: library part "Fuse 2", "Fuse", LatestRevisionDate=17-Jul-2002, LatestRevisionNote="Re-released for DXP Platform.", PackageReference=PIN-W2/E2.8, Published=8-Jun-2000, Publisher="Altium Limited"
J1: "不带网络变压器", Manufacturer=XMultiple, Manufacturer_Part_Number=XMG-9799-8821-100D-L1TO-H-HIM, Package_Type=TH, Area=337, Component_Life_Cycle_State=Reviewed, ComponentLink1Description="Manufacturer datasheet", ComponentLink1URL="//msp-file/public/Datasheet Repository/XMultiple/XMG-9799-8821-100D-L1TO-H-HIM.pdf", ComponentLink2Description="Manufacturer Alt 1 datasheet", ComponentLink3Description="Manufacturer Alt 2 datasheet", ComponentLink4Description="Manufacturer Alt 3 datasheet", Digi_PN=18000733, Height=13,6, Internal_ID=1001971, Part_Type=Connector, Project=iMX6UL+PMIC, RoHS=1, Symbol=RJ45_XMG-9799-8821
JTMS: "调试接口"
L1 L2: library part 100UH-SLF7032, "12*12电感"
LB1: library part FB-0805
LED3: "蓝"
MAX1: library part MAX809/810, "复位芯片"
Q1: library part NPN, "NPN Bipolar Transistor", Code_JEDEC=TO-226-AA, LatestRevisionDate=17-Jul-2002, LatestRevisionNote="Re-released for DXP Platform.", PackageDescription="TO, Flat Index; 3 In-Line, Axial Leads; Body Dia. 4.8mm; Leads 0.55 x 0.51 mm (max)", PackageReference=TO-226-AA, Published=8-Jun-2000, Publisher="Altium Limited"
R1 R2 R3 R4 R5 R6 R7 R8 R9 R10 R11 R12 R13 R14 R15 R16 R17 R18 R19 R20 R21 R22 R23 R24 R25 R26 R27 R28: library part RES2, "Resistor"
R29 R30 R31 R32: library part Res2, "Resistor"
  R29 R31 R32: LatestRevisionDate=17-Jul-2002, LatestRevisionNote="Re-released for DXP Platform.", PackageReference=AXIAL-0.4, Published=8-Jun-2000, Publisher="Altium Limited"
R33 R34 R35 R36 R37: library part RES2, "精度5%"
SPI: "Header, 4-Pin, Dual row"
U1: "STM32 ARM-based 32-bit MCU Performance Line with 64 kB Flash, 20 kB Internal RAM, -40 to +85癈 Temperature, 48-Pin LQFP, Tray", ComponentLink1Description="Manufacturer URL", ComponentLink1URL=http://www.st.com/, ComponentLink2Description="STM32F103 Datasheet", ComponentLink2URL=http://www.st.com/internet/com/TECHNICAL_RESOURCES/TECHNICAL_LITERATURE/DATASHEET/CD00161566.pdf, ComponentLink3Description="STM32 Family Web Page", ComponentLink3URL=www.st.com/stm32, DatasheetVersion="rev13.0, Apr-2011", PackageDescription="48-Pin Low-Profile Quad Flat Pack, 7 x 7 mm Body, 0.5 mm Pitch (LQFP48)", PackageReference=LQFP48, PackageVersion="rev13, Apr-2011"
U3 U4: library part LM2596, "LM2575/2596"
U6: library part F2.1
USB: "USB-MINI"
USB1 USB2: "USB 1.1, Right Angle, Thru-Hole, A Type, Receptacle, 4x4x4x4 Position, Fourfold Stacked, Black", PackageDocument=30-Jul-2002, ComponentLink1Description="Manufacturer Link", ComponentLink1URL=http://www.tycoelectronics.com/, ComponentLink2Description="Packaging Specification", ComponentLink2URL=http://ecommas.tycoelectronics.com/commerce/DocumentDelivery/DDEController?Action=showdoc&DocId=Customer+Drawing%7F1470007%7FO%7Fpdf%7FEnglish%7FENG_CD_1470007_O.pdf, ContactMaterial="Phosphor Bronze", ContactPlating="Gold (30) over Nickel (50)", DatasheetDocument=30-Jul-2002, DrillSize="Corresponds to nominal value.", HousingMaterial="30% Glass-Filled Thermoplastic", PackageReference=1470007, PanelGround=Without, PCB_Layout="Complies with manufacturer's recommendation.", Published=15-Jul-2004, Publisher="Altium Limited", TerminationLength="2.36mm [0.093in.]"
VD1 VD2: library part "DIODE SCHOTTKY", "肖特基"
XTAL1: library part XTAL, "32.768晶体"
Y1: library part XTAL, "Crystal Oscillator"
Y2: library part XTAL-SPXO, "8M有源晶振"

## Free pads (board coordinates)
  rect 8x2.39 smd: 1(4,41.58) 2(4,37.62) 3(4,33.66) 4(4,29.7) 5(4,25.74) 6(4,21.78) 7(4,17.82) 8(4,13.86) 9(4,9.9) 10(4,5.94) 11(4,1.98) 12(4,-1.98) 13(4,-5.94) 14(4,-9.9) 15(4,-13.86) 16(4,-17.82) 17(4,-21.78) 18(4,-25.74) 19(4,-29.7) 20(4,-33.66) 21(4,-37.62) 22(4,-41.58)
  rect 8x2.39 smd far side: 1(4,41.58) 2(4,37.62) C(4.064,33.66) D(4.064,29.7) E(4.064,25.74) F(4.064,21.78) G(4.064,17.82) H(4.064,13.86) I(4.064,9.9) J(4.064,5.94) K(4.064,1.98) L(4,-1.98) M(4,-5.94) N(4,-9.9) O(4,-13.86) P(4,-17.82) Q(4,-21.78) R(4,-25.74) S(4,-29.7) T(4,-33.66) U(4,-37.62) V(4,-41.58)

## Via types
v1: diameter 0.5, hole 0.3, Top Layer to Bottom Layer, tented both sides, 1793 vias
v2: diameter 0.5, hole 0.25, Top Layer to Bottom Layer, tented both sides, 39 vias
v3: diameter 0.6, hole 0.3, Top Layer to Bottom Layer, tented both sides, 6 vias
v4: diameter 0.6, hole 0.3, Top Layer to Bottom Layer, 6 vias
v5: diameter 0.508, hole 0.254, Top Layer to Bottom Layer, tented both sides, 6 vias
v6: diameter 0.6, hole 0.3, Top Layer to Bottom Layer, tented bottom, 2 vias

## Nets (pads, with @x,y where several pads share a name; then routed paths per layer and width w, separated by ;. In a path a pad name is that pad's centre, name@x,y a point inside that pad or via, vN(x,y) a via of type N, cw(c..) or ccw(c..) an arc to the next point about the centre after c; other vN are vias at no path point)
CORE_3.3V: C9.1 C12.1 C13.1 J1.9 J1.11 LED1.1 LED2.1 R17.2 R18.2 R19.2 R20.2 R21.2 R22.2 TF.4 U2.2 U2.4 | length 450.8
  Top Layer w0.254: 150.841,-53.129 152.601,-54.89 170.535,-54.89 171.201,-54.223 171.201,-50.977 170.809,-50.584 169.354,-50.584 LED1.1@169,-50.23
  Top Layer w0.6: U2.4@30.45,15.07 U2.2@37.2,15.07 39.658,15.07 42.358,17.77 C12.1@44.19,17.77 49.963,17.77 50.58,17.153 C13.1@50.58,16.02 47.88,16.02 46.93,15.07 42.443,15.07 40.697,13.324 40.697,12.088 38.619,10.01 18.247,10.01 11.27,3.033 11.27,-45.75 19.8,-54.28 149.69,-54.28 150.841,-53.129 R17.2@150.841,-39.73 ; R17.2@150.86,-39.73 150.86,-25.13 150.86,-23.15 v3(154.954,-23.15) v3(156.35,-23.15) v3(157.827,-23.15) 163.27,-23.15 163.69,-23.57 163.69,-31.91 162.57,-33.03 TF.4@159.89,-33.03
  Bottom Layer w0.254: v3(154.954,-23.15) v3(156.35,-23.15) v3(157.827,-23.15) 157.827,-15.473 162.66,-10.64 162.66,-7.31 J1.11@160.918,-5.568 163.228,-5.568 163.88,-6.22 167.41,-6.22 169.94,-3.69 169.94,2.24 167.17,5.01 164.57,5.01 163.718,5.862 J1.9@160.918,5.862 162.66,7.604 162.66,10.61 163.73,11.68 169.461,11.68 172.12,14.339 172.12,51.82 170.67,53.27 LED2.1@169,53.27
D2_N: U6.16 USB1.10 | length 57.2
  Top Layer w0.25: U6.16@117.294,33.197 118.996,33.197 121.65,30.543 121.65,27.143 124.763,24.03 155.853,24.03 158.083,21.8 160.605,21.8 161.55,20.855 161.55,16.971 162.835,15.686 USB1.10@162.835,15.57
D2_P: U6.17 USB1.11 | length 58.4
  Top Layer w0.25: U6.17@117.294,33.697 119.203,33.697 122.15,30.75 122.15,27.351 124.971,24.53 161.7,24.53 162.811,23.419 162.811,22.279 164.14,20.95 164.14,19.156 163.142,18.158 USB1.11@163.142,17.762
D3_N: U6.13 USB1.6 | length 52.3
  Top Layer w0.25: U6.13@117.294,31.697 119.153,31.697 120.7,30.149 120.7,26.75 124.37,23.08 152.58,23.08 156.87,18.79 158.27,18.79 158.89,18.17 158.89,17.011 160.215,15.686 USB1.6@160.215,15.57
D3_P: U6.14 USB1.7 | length 52
  Top Layer w0.25: U6.14@117.294,32.197 119.36,32.197 121.2,30.357 121.2,26.957 124.577,23.58 152.787,23.58 155.117,21.25 158.31,21.25 158.912,20.648 158.912,18.872 USB1.7@160.215,17.57
D4_N: U6.11 USB1.2 | length 49.4
  Top Layer w0.25: U6.11@115.244,30.147 115.244,28.405 123.909,19.74 151.109,19.74 154.529,16.32 156.844,16.32 USB1.2@157.595,15.57
D4_P: U6.12 USB1.3 | length 48.6
  Top Layer w0.25: U6.12@115.744,30.147 115.744,28.612 124.116,20.24 151.316,20.24 154.736,16.82 156.844,16.82 USB1.3@157.595,17.57
D5_N: U6.32 USB2.2 | length 52.1
  Top Layer w0.25: U6.32@112.244,38.747 112.244,39.906 113.578,41.24 120.726,41.24 122.013,42.527 135.599,42.527 136.967,41.159 147.287,41.159 156.125,32.32 156.844,32.32 USB2.2@157.595,31.57
D5_P: U6.33 USB2.3 | length 53
  Top Layer w0.25: U6.33@111.744,38.747 111.744,40.113 113.371,41.74 120.519,41.74 121.805,43.027 135.806,43.027 137.174,41.659 147.494,41.659 156.333,32.82 156.844,32.82 USB2.3@157.595,33.57
D6_N: U6.34 USB2.6 | length 59.5
  Top Layer w0.25: U6.34@111.244,38.747 111.244,40.25 113.185,42.19 120.332,42.19 121.619,43.477 135.992,43.477 137.36,42.109 152.874,42.109 156.18,38.803 156.18,35.59 156.95,34.82 158.41,34.82 158.88,34.35 158.88,33.021 160.215,31.686 USB2.6@160.215,31.57
D6_P: U6.35 USB2.7 | length 58.1
  Top Layer w0.25: U6.35@110.744,38.747 110.744,40.457 112.977,42.69 120.125,42.69 121.412,43.977 136.199,43.977 137.568,42.609 153.081,42.609 158.85,36.84 158.85,35.45 160.215,34.085 USB2.7@160.215,33.57
D7_N: U6.37 USB2.10 | length 84.1
  Top Layer w0.25: U6.37@108.694,37.197 107.493,37.197 105.4,39.29 105.4,45.803 108.077,48.48 132.333,48.48 137.754,43.059 159.504,43.059 162.51,40.052 162.51,38.557 164.35,36.717 164.35,35.55 163.61,34.81 162.22,34.81 161.55,34.14 161.55,32.971 162.835,31.686 USB2.10@162.835,31.57
D7_P: U6.38 USB2.11 | length 83.1
  Top Layer w0.25: U6.38@108.694,36.697 107.286,36.697 104.9,39.083 104.9,46.01 107.87,48.98 132.54,48.98 137.961,43.559 159.711,43.559 163.01,40.26 163.01,38.764 164.85,36.925 164.85,35.343 163.338,33.831 163.074,33.831 USB2.11@163.334,33.57
DM1: U6.18
DOG_UART_N: CORE.19 U1.22 | length 74.3
  Top Layer w0.254: U1.22@36.377,-3.06 38.416,-3.06 v2(38.677,-2.799) ; v2(101.265,-18.18) 101.515,-18.43 CORE.19@103.565,-18.43
  Bottom Layer w0.25: v2(38.677,-2.799) 38.938,-3.06 81.947,-3.06 97.323,-18.435 100.994,-18.435 101.249,-18.18 v2(101.265,-18.18) 101.015,-18.43
DOG_UART_P: CORE.18 U1.21 | length 74.3
  Top Layer w0.254: U1.21@36.377,-3.56 38.427,-3.56 v2(38.677,-3.81) ; v2(101.265,-19.191) 101.526,-18.93 CORE.18@103.565,-18.93
  Bottom Layer w0.25: v2(38.677,-3.81) 38.927,-3.56 81.74,-3.56 97.115,-18.935 100.994,-18.935 101.249,-19.191 v2(101.265,-19.191) 101.004,-18.93
DP1: U6.19
DRV: U6.1
ERX_N: C2.1 CORE.42 D1.3 T1.8 | length 69.5
  Top Layer w0.25: CORE.42@98.965,-8.43 97.047,-8.43 95.48,-6.863 95.48,-0.971 97.271,0.82 116.41,0.82 121.653,-4.423 131.12,-4.423 ; C2.1@131.12,-6.098 131.12,-4.423 ; T1.8@138.51,-5.443 137.283,-5.443 136.263,-4.423 131.12,-4.423
  Top Layer w0.254: v2(123.278,-1.96) D1.3@125.18,-1.96 ; v2(129.218,-6.098) C2.1@131.12,-6.098
  Bottom Layer w0.25: v2(123.278,-1.96) 127.415,-6.098 v2(129.218,-6.098)
ERX_P: C1.1 CORE.43 D1.4 T1.6 | length 63.2
  Top Layer w0.25: CORE.43@98.965,-8.93 96.84,-8.93 94.98,-7.07 94.98,-0.763 97.064,1.32 116.617,1.32 121.86,-3.923 131.12,-3.923 ; D1.4@127.8,-1.96 127.84,-2 128.921,-2 129.189,-2.268 C1.1@131.12,-2.268 131.12,-3.923 ; T1.6@138.51,-2.903 137.286,-2.903 136.266,-3.923 131.12,-3.923
ETX_N: C4.1 CORE.44 D1.6 T1.3 | length 62.7
  Top Layer w0.25: CORE.44@98.965,-9.43 96.704,-9.43 94.53,-7.256 94.53,-0.577 96.937,1.83 131.12,1.83 ; D1.6@127.8,-0.06 129.008,-0.06 129.34,0.272 C4.1@131.12,0.272 131.12,1.83 ; T1.3@138.84,0.907 T1.3@138.51,0.907 136.811,0.907 135.888,1.83 131.12,1.83
ETX_P: C3.2 CORE.45 D1.1 T1.1 | length 72.3
  Top Layer w0.25: CORE.45@98.965,-9.93 96.497,-9.93 94.04,-7.473 94.04,-0.36 96.73,2.33 131.12,2.33 ; C3.2@131.12,4.087 131.12,2.33 ; T1.1@138.51,3.447 136.969,3.447 135.852,2.33 131.12,2.33
  Top Layer w0.254: v2(123.278,-0.06) D1.1@125.18,-0.06 ; v2(129.218,4.087) C3.2@131.12,4.087
  Bottom Layer w0.25: v2(123.278,-0.06) 127.424,4.087 v2(129.218,4.087)
EVDDA: C6.2 C7.2 CORE.41 D1.2 T1.2 T1.7 | length 94.2
  Top Layer w0.254: CORE.41@98.965,-7.93 97.236,-7.93 95.932,-6.626 95.932,-1.158 97.458,0.368 114.068,0.368 v2(115.447,-1.011) 124.226,-9.79 C7.2@141.97,-9.79 141.97,-4.173 ; v2(123.278,-1.011) D1.2@125.18,-1.011 ; T1.7@138.51,-4.173 141.97,-4.173 ; T1.2@138.51,2.177 141.97,2.177 ; C6.2@141.97,7.79 141.97,2.177 ; 141.97,-4.173 141.97,2.177
  Bottom Layer w0.254: v2(115.447,-1.011) v2(123.278,-1.011)